# Altium PCB Dashcam.PcbDoc (part 2 of 6)
Units mm, origin at the board's own origin, x right, y up, seen from the top; angles counter-clockwise.
Board outline 90.03 x 65.03 mm, 6 copper layers (TOP, L2_GND, L3_IN1, L4_POWER, L5_GND_2, BOTTOM), stack 1.128 mm thick; 287 components, 444 nets, 1760 pads, 0 vias.
Unrouted connection lines stored in the file: 908.
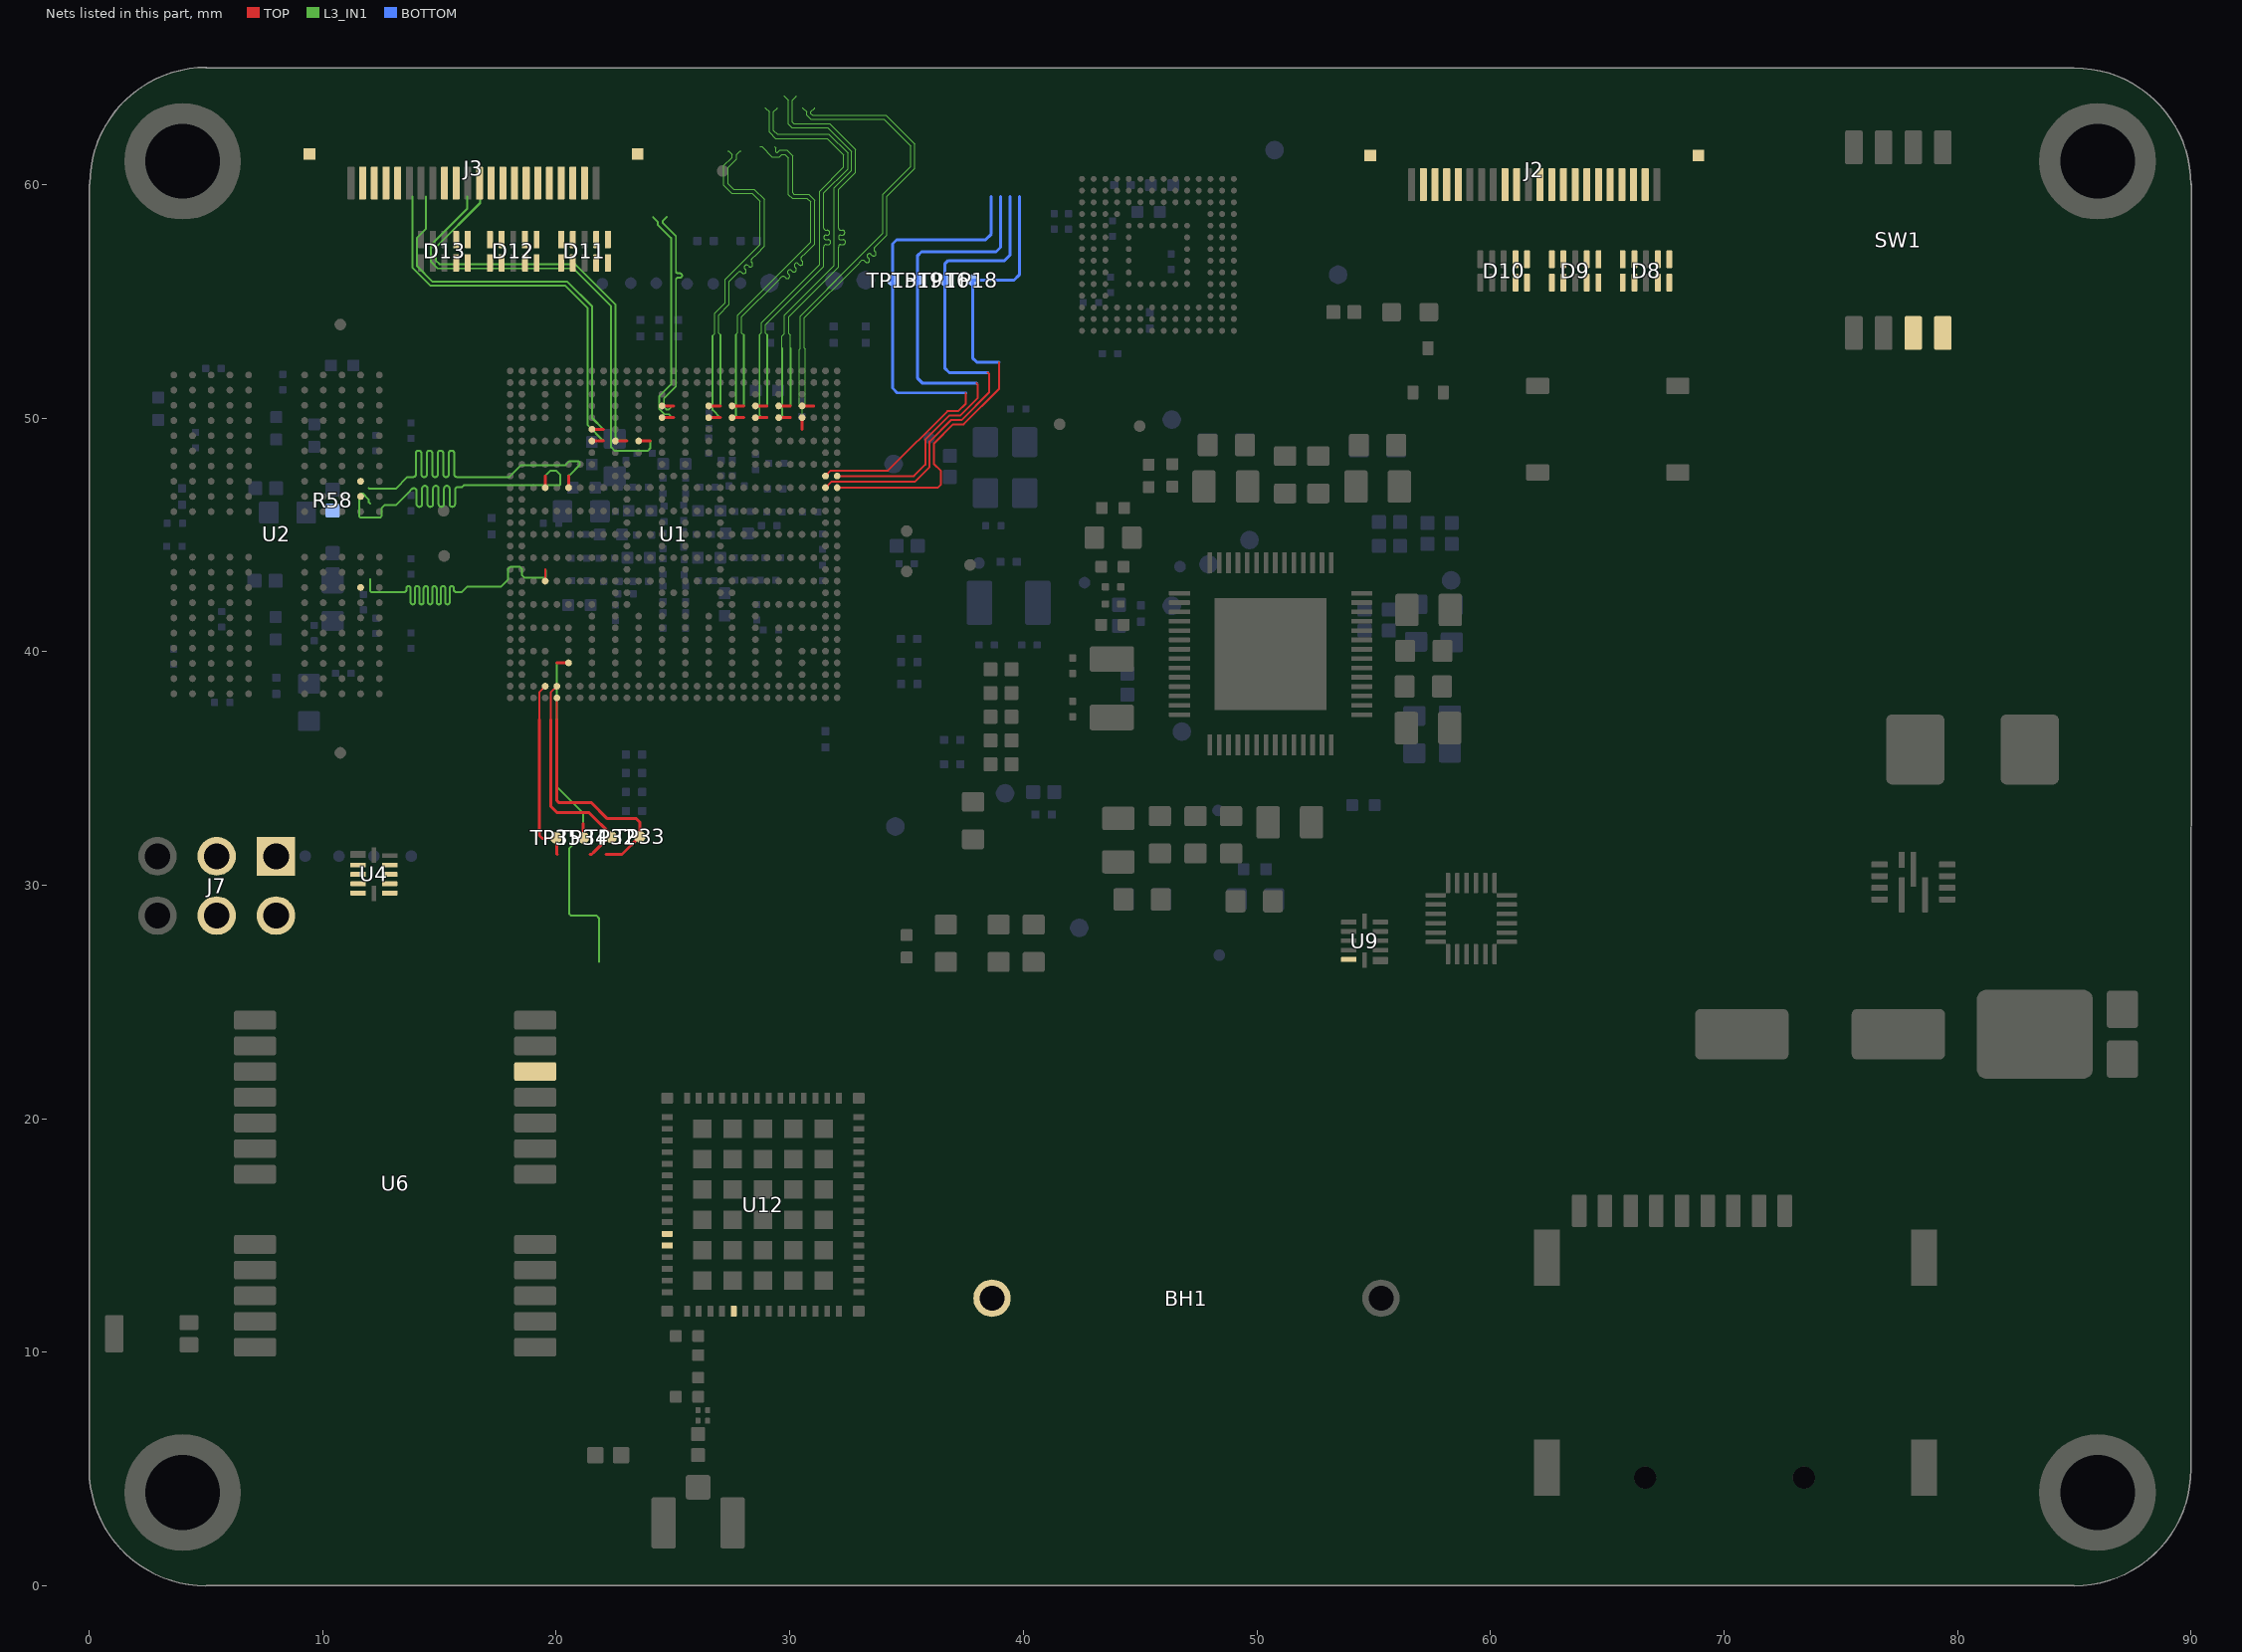
[diagram p6: the nets of this part, all layers, seen from the top]

## Footprints (in the part's own frame and the unit in brackets; to place one, negate y for a bottom-side part, rotate by r counter-clockwise, add the part's x,y. Pads: shape width x height; smd on the part's side, far side on the other; paste and mask are expansions set on the pad) (continued)
IC_MPU_BGA548C50P29X29_1500X1500X148 [mm] "15 X 15 MM BGA"
  round 0.29 smd: A1(-7,7) A2(-6.5,7) A3(-6,7) A4(-5.5,7) A5(-5,7) A6(-4.5,7) A7(-4,7) A8(-3.5,7) A9(-3,7) A10(-2.5,7) A11(-2,7) A12(-1.5,7) A13(-1,7) A14(-0.5,7) A15(0,7) A16(0.5,7) A17(1,7) A18(1.5,7) A19(2,7) A20(2.5,7) A21(3,7) A22(3.5,7) A23(4,7) A24(4.5,7) A25(5,7) A26(5.5,7) A27(6,7) A28(6.5,7) A29(7,7) AA1(-7,-3) AA2(-6.5,-3) AA3(-6,-3) AA4(-5.5,-3) AA5(-5,-3) AA6(-4.5,-3) AA7(-4,-3) AA8(-3.5,-3) AA10(-2.5,-3) AA11(-2,-3) AA14(-0.5,-3) AA16(0.5,-3) AA19(2,-3) AA20(2.5,-3) AA22(3.5,-3) AA23(4,-3) AA24(4.5,-3) AA25(5,-3) AA26(5.5,-3) AA27(6,-3) AA28(6.5,-3) AA29(7,-3) AB1(-7,-3.5) AB2(-6.5,-3.5) AB8(-3.5,-3.5) AB10(-2.5,-3.5) AB12(-1.5,-3.5) AB14(-0.5,-3.5) AB16(0.5,-3.5) AB18(1.5,-3.5) AB20(2.5,-3.5) AB22(3.5,-3.5) AB28(6.5,-3.5) AB29(7,-3.5) AC1(-7,-4) AC2(-6.5,-4) AC3(-6,-4) AC4(-5.5,-4) AC5(-5,-4) AC6(-4.5,-4) AC8(-3.5,-4) AC10(-2.5,-4) AC12(-1.5,-4) AC14(-0.5,-4) AC16(0.5,-4) AC18(1.5,-4) AC20(2.5,-4) AC22(3.5,-4) AC24(4.5,-4) AC25(5,-4) AC26(5.5,-4) AC27(6,-4) AC28(6.5,-4) AC29(7,-4) AD1(-7,-4.5) AD2(-6.5,-4.5) AD6(-4.5,-4.5) AD8(-3.5,-4.5) AD10(-2.5,-4.5) AD12(-1.5,-4.5) AD14(-0.5,-4.5) AD16(0.5,-4.5) AD18(1.5,-4.5) AD20(2.5,-4.5) AD22(3.5,-4.5) AD24(4.5,-4.5) AD28(6.5,-4.5) AD29(7,-4.5) AE1(-7,-5) AE2(-6.5,-5) AE3(-6,-5) AE4(-5.5,-5) AE6(-4.5,-5) AE8(-3.5,-5) AE10(-2.5,-5) AE12(-1.5,-5) AE14(-0.5,-5) AE16(0.5,-5) AE18(1.5,-5) AE20(2.5,-5) AE22(3.5,-5) AE24(4.5,-5) AE26(5.5,-5) AE27(6,-5) AE28(6.5,-5) AE29(7,-5) AF1(-7,-5.5) AF2(-6.5,-5.5) AF4(-5.5,-5.5) AF6(-4.5,-5.5) AF8(-3.5,-5.5) AF10(-2.5,-5.5) AF12(-1.5,-5.5) AF14(-0.5,-5.5) AF16(0.5,-5.5) AF18(1.5,-5.5) AF20(2.5,-5.5) AF22(3.5,-5.5) AF24(4.5,-5.5) AF26(5.5,-5.5) AF28(6.5,-5.5) AF29(7,-5.5) AG1(-7,-6) AG2(-6.5,-6) AG4(-5.5,-6) AG6(-4.5,-6) AG8(-3.5,-6) AG10(-2.5,-6) AG12(-1.5,-6) AG14(-0.5,-6) AG16(0.5,-6) AG18(1.5,-6) AG20(2.5,-6) AG22(3.5,-6) AG24(4.5,-6) AG26(5.5,-6) AG28(6.5,-6) AG29(7,-6) AH1(-7,-6.5) AH2(-6.5,-6.5) AH3(-6,-6.5) AH4(-5.5,-6.5) AH5(-5,-6.5) AH6(-4.5,-6.5) AH7(-4,-6.5) AH8(-3.5,-6.5) AH9(-3,-6.5) AH10(-2.5,-6.5) AH11(-2,-6.5) AH12(-1.5,-6.5) AH13(-1,-6.5) AH14(-0.5,-6.5) AH15(0,-6.5) AH16(0.5,-6.5) AH17(1,-6.5) AH18(1.5,-6.5) AH19(2,-6.5) AH20(2.5,-6.5) AH21(3,-6.5) AH22(3.5,-6.5) AH23(4,-6.5) AH24(4.5,-6.5) AH25(5,-6.5) AH26(5.5,-6.5) AH27(6,-6.5) AH28(6.5,-6.5) AH29(7,-6.5) AJ1(-7,-7) AJ2(-6.5,-7) AJ3(-6,-7) AJ4(-5.5,-7) AJ5(-5,-7) AJ6(-4.5,-7) AJ7(-4,-7) AJ8(-3.5,-7) AJ9(-3,-7) AJ10(-2.5,-7) AJ11(-2,-7) AJ12(-1.5,-7) AJ13(-1,-7) AJ14(-0.5,-7) AJ15(0,-7) AJ16(0.5,-7) AJ17(1,-7) AJ18(1.5,-7) AJ19(2,-7) AJ20(2.5,-7) AJ21(3,-7) AJ22(3.5,-7) AJ23(4,-7) AJ24(4.5,-7) AJ25(5,-7) AJ26(5.5,-7) AJ27(6,-7) AJ28(6.5,-7) AJ29(7,-7) B1(-7,6.5) B2(-6.5,6.5) B3(-6,6.5) B4(-5.5,6.5) B5(-5,6.5) B6(-4.5,6.5) B7(-4,6.5) B8(-3.5,6.5) B9(-3,6.5) B10(-2.5,6.5) B11(-2,6.5) B12(-1.5,6.5) B13(-1,6.5) B14(-0.5,6.5) B15(0,6.5) B16(0.5,6.5) B17(1,6.5) B18(1.5,6.5) B19(2,6.5) B20(2.5,6.5) B21(3,6.5) B22(3.5,6.5) B23(4,6.5) B24(4.5,6.5) B25(5,6.5) B26(5.5,6.5) B27(6,6.5) B28(6.5,6.5) B29(7,6.5) C1(-7,6) C2(-6.5,6) C4(-5.5,6) C6(-4.5,6) C8(-3.5,6) C10(-2.5,6) C12(-1.5,6) C14(-0.5,6) C16(0.5,6) C18(1.5,6) C20(2.5,6) C22(3.5,6) C24(4.5,6) C26(5.5,6) C28(6.5,6) C29(7,6) D1(-7,5.5) D2(-6.5,5.5) D4(-5.5,5.5) D6(-4.5,5.5) D8(-3.5,5.5) D10(-2.5,5.5) D12(-1.5,5.5) D14(-0.5,5.5) D16(0.5,5.5) D18(1.5,5.5) D20(2.5,5.5) D22(3.5,5.5) D24(4.5,5.5) D26(5.5,5.5) D28(6.5,5.5) D29(7,5.5) E1(-7,5) E2(-6.5,5) E3(-6,5) E4(-5.5,5) E6(-4.5,5) E8(-3.5,5) E10(-2.5,5) E12(-1.5,5) E14(-0.5,5) E16(0.5,5) E18(1.5,5) E20(2.5,5) E22(3.5,5) E24(4.5,5) E26(5.5,5) E27(6,5) E28(6.5,5) E29(7,5) F1(-7,4.5) F2(-6.5,4.5) F6(-4.5,4.5) F8(-3.5,4.5) F10(-2.5,4.5) F12(-1.5,4.5) F14(-0.5,4.5) F16(0.5,4.5) F18(1.5,4.5) F20(2.5,4.5) F22(3.5,4.5) F24(4.5,4.5) F28(6.5,4.5) F29(7,4.5) G1(-7,4) G2(-6.5,4) G3(-6,4) G4(-5.5,4) G5(-5,4) G6(-4.5,4) G8(-3.5,4) G10(-2.5,4) G12(-1.5,4) G14(-0.5,4) G16(0.5,4) G18(1.5,4) G20(2.5,4) G22(3.5,4) G24(4.5,4) G25(5,4) G26(5.5,4) G27(6,4) G28(6.5,4) G29(7,4) H1(-7,3.5) H2(-6.5,3.5) H8(-3.5,3.5) H10(-2.5,3.5) H12(-1.5,3.5) H14(-0.5,3.5) H16(0.5,3.5) H18(1.5,3.5) H20(2.5,3.5) H22(3.5,3.5) H28(6.5,3.5) H29(7,3.5) J1(-7,3) J2(-6.5,3) J3(-6,3) J4(-5.5,3) J5(-5,3) J6(-4.5,3) J7(-4,3) J8(-3.5,3) J10(-2.5,3) J11(-2,3) J14(-0.5,3) J16(0.5,3) J19(2,3) J20(2.5,3) J22(3.5,3) J23(4,3) J24(4.5,3) J25(5,3) J26(5.5,3) J27(6,3) J28(6.5,3) J29(7,3) K1(-7,2.5) K2(-6.5,2.5) K10(-2.5,2.5) K11(-2,2.5) K14(-0.5,2.5) K15(0,2.5) K16(0.5,2.5) K19(2,2.5) K20(2.5,2.5) K28(6.5,2.5) K29(7,2.5) L1(-7,2) L2(-6.5,2) L3(-6,2) L4(-5.5,2) L5(-5,2) L6(-4.5,2) L7(-4,2) L8(-3.5,2) L9(-3,2) L10(-2.5,2) L11(-2,2) L12(-1.5,2) L13(-1,2) L14(-0.5,2) L16(0.5,2) L17(1,2) L18(1.5,2) L19(2,2) L20(2.5,2) L21(3,2) L22(3.5,2) L23(4,2) L24(4.5,2) L25(5,2) L26(5.5,2) L27(6,2) L28(6.5,2) L29(7,2) M1(-7,1.5) M2(-6.5,1.5) M11(-2,1.5) M14(-0.5,1.5) M16(0.5,1.5) M19(2,1.5) M28(6.5,1.5) M29(7,1.5) N1(-7,1) N2(-6.5,1) N3(-6,1) N4(-5.5,1) N5(-5,1) N6(-4.5,1) N7(-4,1) N8(-3.5,1) N9(-3,1) N10(-2.5,1) N11(-2,1) N12(-1.5,1) N13(-1,1) N14(-0.5,1) N15(0,1) N16(0.5,1) N17(1,1) N18(1.5,1) N19(2,1) N20(2.5,1) N21(3,1) N22(3.5,1) N23(4,1) N24(4.5,1) N25(5,1) N26(5.5,1) N27(6,1) N28(6.5,1) N29(7,1) P1(-7,0.5) P2(-6.5,0.5) P11(-2,0.5) P14(-0.5,0.5) P16(0.5,0.5) P19(2,0.5) P28(6.5,0.5) P29(7,0.5) R1(-7,0) R2(-6.5,0) R3(-6,0) R4(-5.5,0) R5(-5,0) R6(-4.5,0) R7(-4,0) R8(-3.5,0) R9(-3,0) R10(-2.5,0) R11(-2,0) R12(-1.5,0) R13(-1,0) R14(-0.5,0) R16(0.5,0) R17(1,0) R18(1.5,0) R19(2,0) R20(2.5,0) R21(3,0) R22(3.5,0) R23(4,0) R24(4.5,0) R25(5,0) R26(5.5,0) R27(6,0) R28(6.5,0) R29(7,0) T1(-7,-0.5) T2(-6.5,-0.5) T11(-2,-0.5) T14(-0.5,-0.5) T16(0.5,-0.5) T19(2,-0.5) T28(6.5,-0.5) T29(7,-0.5) U1(-7,-1) U2(-6.5,-1) U3(-6,-1) U4(-5.5,-1) U5(-5,-1) U6(-4.5,-1) U7(-4,-1) U8(-3.5,-1) U9(-3,-1) U10(-2.5,-1) U11(-2,-1) U12(-1.5,-1) U13(-1,-1) U14(-0.5,-1) U15(0,-1) U16(0.5,-1) U17(1,-1) U18(1.5,-1) U19(2,-1) U20(2.5,-1) U21(3,-1) U22(3.5,-1) U23(4,-1) U24(4.5,-1) U25(5,-1) U26(5.5,-1) U27(6,-1) U28(6.5,-1) U29(7,-1) V1(-7,-1.5) V2(-6.5,-1.5) V11(-2,-1.5) V14(-0.5,-1.5) V16(0.5,-1.5) V19(2,-1.5) V28(6.5,-1.5) V29(7,-1.5) W1(-7,-2) W2(-6.5,-2) W3(-6,-2) W4(-5.5,-2) W5(-5,-2) W6(-4.5,-2) W7(-4,-2) W8(-3.5,-2) W9(-3,-2) W10(-2.5,-2) W11(-2,-2) W12(-1.5,-2) W13(-1,-2) W14(-0.5,-2) W16(0.5,-2) W17(1,-2) W18(1.5,-2) W19(2,-2) W20(2.5,-2) W21(3,-2) W22(3.5,-2) W23(4,-2) W24(4.5,-2) W25(5,-2) W26(5.5,-2) W27(6,-2) W28(6.5,-2) W29(7,-2) Y1(-7,-2.5) Y2(-6.5,-2.5) Y10(-2.5,-2.5) Y11(-2,-2.5) Y14(-0.5,-2.5) Y15(0,-2.5) Y16(0.5,-2.5) Y19(2,-2.5) Y20(2.5,-2.5) Y28(6.5,-2.5) Y29(7,-2.5)
  silkscreen extent -7.79,-7.5 7.5,7.8, body extent -7.5,-7.5 7.5,7.5, height 1.48
IC_PMIC_QFN40P800X800X100-57N-D [mm] "QFN40P"
  rrect20% 0.9x0.2 smd: 1(-3.9,2.6) 2(-3.9,2.2) 3(-3.9,1.8) 4(-3.9,1.4) 5(-3.9,1) 6(-3.9,0.6) 7(-3.9,0.2) 8(-3.9,-0.2) 9(-3.9,-0.6) 10(-3.9,-1) 11(-3.9,-1.4) 12(-3.9,-1.8) 13(-3.9,-2.2) 14(-3.9,-2.6) 29(3.9,-2.6) 30(3.9,-2.2) 31(3.9,-1.8) 32(3.9,-1.4) 33(3.9,-1) 34(3.9,-0.6) 35(3.9,-0.2) 36(3.9,0.2) 37(3.9,0.6) 38(3.9,1) 39(3.9,1.4) 40(3.9,1.8) 41(3.9,2.2) 42(3.9,2.6)
  rrect20% 0.2x0.9 smd: 15(-2.6,-3.9) 16(-2.2,-3.9) 17(-1.8,-3.9) 18(-1.4,-3.9) 19(-1,-3.9) 20(-0.6,-3.9) 21(-0.2,-3.9) 22(0.2,-3.9) 23(0.6,-3.9) 24(1,-3.9) 25(1.4,-3.9) 26(1.8,-3.9) 27(2.2,-3.9) 28(2.6,-3.9) 43(2.6,3.9) 44(2.2,3.9) 45(1.8,3.9) 46(1.4,3.9) 47(1,3.9) 48(0.6,3.9) 49(0.2,3.9) 50(-0.2,3.9) 51(-0.6,3.9) 52(-1,3.9) 53(-1.4,3.9) 54(-1.8,3.9) 55(-2.2,3.9) 56(-2.6,3.9)
  rect 4.8x4.8 smd: 57(0,0)
  silkscreen extent -4.44,-4.22 4.22,4.44, body extent -4.05,-4.05 4.05,4.05, height 1
IC_REG_MP8759GDZ [mm] "12-QFN (2x3)"
  rrect20% 1.5x0.25 smd: 1(-0.55,0.5) 2(-0.55,-0.5) 7(0.55,0)
  rrect20% 0.25x0.7 smd: 3(-0.75,-1.45) 4(-0.25,-1.45) 5(0.25,-1.45) 6(0.75,-1.45) 9(0.75,1.45) 10(0.25,1.45) 11(-0.25,1.45) 12(-0.75,1.45)
  rrect20% 0.7x0.25 smd: 8(0.95,0.5)
  silkscreen extent -1.52,-1 1,1, body extent -1.03,-1.53 1.03,1.53, height 1
IC_WIFI_BLE_LBEE5QD1ZM572 [mm]
  rrect20% 0.475x0.5 smd: 1(-4.563,-4.1) 18(4.563,-4.1) 33(4.563,4.1) 50(-4.563,4.1)
  rrect20% 0.25x0.475 smd: 2(-3.75,-4.1) 3(-3.25,-4.1) 4(-2.75,-4.1) 5(-2.25,-4.1) 6(-1.75,-4.1) 7(-1.25,-4.1) 8(-0.75,-4.1) 9(-0.25,-4.1) 10(0.25,-4.1) 11(0.75,-4.1) 12(1.25,-4.1) 13(1.75,-4.1) 14(2.25,-4.1) 15(2.75,-4.1) 16(3.25,-4.1) 17(3.75,-4.1) 34(3.75,4.1) 35(3.25,4.1) 36(2.75,4.1) 37(2.25,4.1) 38(1.75,4.1) 39(1.25,4.1) 40(0.75,4.1) 41(0.25,4.1) 42(-0.25,4.1) 43(-0.75,4.1) 44(-1.25,4.1) 45(-1.75,4.1) 46(-2.25,4.1) 47(-2.75,4.1) 48(-3.25,4.1) 49(-3.75,4.1)
  rrect20% 0.475x0.25 smd: 19(4.563,-3.25) 20(4.563,-2.75) 21(4.563,-2.25) 22(4.563,-1.75) 23(4.563,-1.25) 24(4.563,-0.75) 25(4.563,-0.25) 26(4.563,0.25) 27(4.563,0.75) 28(4.563,1.25) 29(4.563,1.75) 30(4.563,2.25) 31(4.563,2.75) 32(4.563,3.25) 51(-4.563,3.25) 52(-4.563,2.75) 53(-4.563,2.25) 54(-4.563,1.75) 55(-4.563,1.25) 56(-4.563,0.75) 57(-4.563,0.25) 58(-4.563,-0.25) 59(-4.563,-0.75) 60(-4.563,-1.25) 61(-4.563,-1.75) 62(-4.563,-2.25) 63(-4.563,-2.75) 64(-4.563,-3.25)
  rect 0.8x0.8 smd: 65(-3.25,-2.6) 66(-1.95,-2.6) 67(-0.65,-2.6) 68(0.65,-2.6) 69(1.95,-2.6) 70(3.25,-2.6) 71(3.25,-1.3) 72(3.25,0) 73(3.25,1.3) 74(3.25,2.6) 75(1.95,2.6) 76(0.65,2.6) 77(-0.65,2.6) 78(-1.95,2.6) 79(-3.25,2.6) 80(-3.25,1.3) 81(-3.25,0) 82(-3.25,-1.3) 83(-1.95,-1.3) 84(-0.65,-1.3) 85(0.65,-1.3) 86(1.95,-1.3) 87(1.95,0) 88(1.95,1.3) 89(0.65,1.3) 90(-0.65,1.3) 91(-1.95,1.3) 92(-1.95,0) 93(-0.65,0) 94(0.65,0)
  silkscreen extent -5.33,-4.65 -5.33,-3.63, body extent -5.1,-4.65 5.1,4.65, height 1.45
IND_0805_INDC2012X10N [mm] "Chip Inductor, 2-Leads, Body 2.00x1.25mm, IPC Medium Density"
  rrect20% 1x1.39 smd: 1(-0.93,0) 2(0.93,0)
  silkscreen extent -0.05,-0.6 0.05,0.6, body extent -1,-0.63 1,0.63, height 1
IND_WE-HCI_7030/7040/705023 [mm] "0.276\" L x 0.272\" W (7.00mm x 6.90mm)"
  rrect20% 2.5x3 smd: 1(-2.45,0) 2(2.45,0)
  silkscreen extent -3.6,-3.55 3.55,3.65, body extent -3.5,-3.45 3.5,3.45, height 4.8
LED_0603-GREEN [mm] "1.60mm L x 0.80mm W"
  rrect25% 0.8x0.8 smd: 1(0.8,0) 2(-0.8,0)
  silkscreen extent 1.4,-0.38 1.52,0.38, body extent -0.83,-0.4 0.77,0.4, height 0.55
MECH_BATTERY_HOLDER_BH600 [mm]
  round 1.6 hole 1.067: 1(0,8.33) 2(0,-8.33)
  silkscreen extent -9.53,-11.37 9.53,12
PTH_3.2X5 [mm] "PTH 3.2mm drill 5mm ring"
  round 5 hole 3.2 paste-2539.97: 1(0,0)
RES_0201_RESC0603X02N [mm] "Chip Resistor, 2-Leads, Body 0.60x0.30mm, IPC Medium Density"
  rrect20% 0.35x0.35 smd: 1(-0.35,0) 2(0.35,0)
  body extent -0.3,-0.15 0.3,0.15, height 0.24
RES_0402_RESC1005X04N [mm] "Chip Resistor, 2-Leads, Body 1.02x0.53mm, IPC Medium Density"
  rrect20% 0.6x0.6 smd: 1(-0.45,0) 2(0.45,0)
  body extent -0.5,-0.25 0.5,0.25, height 0.36
RES_0603_RESC1608X04N [mm] "Chip Resistor, 2-Leads, Body 1.60x0.80mm, IPC Medium Density"
  rrect20% 0.85x0.95 smd: 1(-0.8,0) 2(0.8,0)
  silkscreen extent -0.13,-0.64 0.17,0.64, body extent -0.8,-0.4 0.8,0.4, height 0.46
RF_FILTER_HP_DEA075150HT8036A1 [mm]
  rrect20% 0.25x0.2 smd: 1(-0.225,-0.205) 2(0.225,-0.205) 3(0.225,0.205) 4(-0.225,0.205)
  silkscreen extent -0.38,-0.51 -0.08,-0.51, body extent -0.33,-0.29 0.33,0.29, height 0.4
SOT-323 [mm] "SC-70, SOT-323"
  rrect20% 0.6x0.47 smd: D(0.95,0) G(-0.95,0.65) S(-0.95,-0.65)
  silkscreen extent -1.47,-1.07 0.65,1.07, body extent -1.05,-1.07 1.05,1.07, height 1.1
SW_DIP_SOIC127P844X265-8N [mm] "0.050\" (1.27mm), Half"
  rrect20% 1.45x0.75 smd: 1(-3.975,1.905) 2(-3.975,0.635) 3(-3.975,-0.635) 4(-3.975,-1.905) 5(3.975,-1.905) 6(3.975,-0.635) 7(3.975,0.635) 8(3.975,1.905)
  silkscreen extent -4.7,-3.13 2.9,3.13, body extent -4.22,-3.13 4.22,3.13, height 2.6
SWT_NO_PTS526SK15SMTR2LFS [mm] "TACT 5.2 X 5.2 mm"
  rrect20% 1x0.7 smd: 1(-3,1.85) 2(3,1.85) 3(-3,-1.85) 4(3,-1.85)
  silkscreen extent -3.78,-2.6 2.6,2.6, body extent -3.2,-2.6 3.2,2.6, height 1.55
TP_PAD_0.5MM_SMD_ROUND [mm] "Test Point, round, 0.5mm diameter, smd pad"
  round 0.5 smd paste-1.524: 1(0,0)
  silkscreen extent -0.43,-0.43 0.43,0.43
TP_PAD_0.8MM_SMD_ROUND [mm] "Test Point, round, 0.8mm diameter, smd pad"
  round 0.8 smd paste-1.524: 1(0,0)
  silkscreen extent -0.51,-0.51 0.51,0.51

## Part data
ANT1: library part ANT_CHIP_2.5GHz_5GHz_A9001978, "Automotive Ultra-small Uwb Or Bl", Manufacturer="Kyocera AVX", Supplier Part Number 1=478-A9001978CT-ND, Category=Uncategorized, Manufacturer Part Number=A9001978, Pricing 1="1=1.53, 10=1.367, 25=1.2976, 100=1.066, 250=0.99652, 500=0.88064, 1000=0.69525, 2500=0.6489 (USD)", RoHS=No, Stock 1=3990, Supplier 1=Digikey
BH1: library part MECH_BATTERY_HOLDER_BH600, "Battery Holder 1 Cells Thermoplastic Tray", Manufacturer="Memory Protection Devices", Max Operating Temperature=180°C, Min Operating Temperature=-55°C, Supplier Part Number 1=BH600-ND, Category="Batteries and Accessories", ComponentLink1Description=https://datasheet.ciiva.com/3/bh600-datasheet-3856.pdf?src-supplier=Digikey, ComponentLink1URL=https://datasheet.ciiva.com/3/bh600-datasheet-3856.pdf?src-supplier=Digikey, Diameter=16mm, Height=3.2mm, Lead Free="Lead Free", Manufacturer Part Number=BH600, Mount="Through Hole,PCB", Number of Cells=1, Pricing 1="1=1.7, 10=1.408, 50=1.236, 100=1.1686, 300=1.06927, 500=1.02602, 1000=0.97012, 2500=0.90087, 5000=0.85178 (USD)", RoHS=Yes, RoHS Compliant=Yes, Series=-, Stock 1=122929, Supplier 1=Digikey, Termination="PC Pin"
C1 C11 C19 C25 C29 C33 C38 C46 C54 C71 C72 C77 C78 C85 C96 C114: library part CAP_10UF_6.3V_X5R_0402, "Cap Ceramic 10uF 6.3V X5R 20% SMD 0402 85C T/R", Capacitance=10uF, Case Code (Imperial)=0402, Case Code (Metric)=1005, Dielectric=X5R, Manufacturer=Samsung, Max Operating Temperature=85°C, Min Operating Temperature=-55°C, Package Quantity=1, Supplier Part Number 1=1276-1451-1-ND, Tolerance=20%, Voltage Rating=6.3V, Case/Package=0402, Category="Ceramic Capacitors", ComponentLink1Description=https://datasheet.ciiva.com/16437/cl05a106mq5nunc-16437356.pdf?src-supplier=Future+Electronics, ComponentLink1URL=https://datasheet.ciiva.com/16437/cl05a106mq5nunc-16437356.pdf?src-supplier=Future+Electronics, ComponentLink2Description=https://datasheet.ciiva.com/26877/getdatasheetpartid-355289-26877841.pdf?src-supplier=Verical, ComponentLink2URL=https://datasheet.ciiva.com/26877/getdatasheetpartid-355289-26877841.pdf?src-supplier=Verical, Construction=Flat, Depth=0.5mm, Height=0.5mm, Length=1mm, Manufacturer Part Number=CL05A106MQ5NUNC, Mount="Surface Mount", Packaging="Tape and Reel", Pricing 1="1=0.24, 10=0.153, 50=0.0968, 100=0.0774, 500=0.05588, 1000=0.04943, 2500=0.04728, 5000=0.04299 (USD)", Radiation Hardening=No, RoHS=Yes, RoHS Compliant=Yes, Series=CL, Stock 1=6097180, Supplier 1=Digikey, Thickness=0.028inch, Width=0.02inch
C2 C3 C4 C5 C6 C7 C8 C9 C10 C12 C13 C14 C15 C16 C20 C21 C22 C23 C24 C26 C27 C28 C30 C31 C32 C34 C35 C36 C37 C39 C40 C41 C42 C43 C44 C45 C47 C48 C49 C50 C51 C52 C53 C59 C60 C61 C62 C73 C74 C75 C76 C79 C80 C81 C82 C83 C84 C86 C87 C88 C89 C90 C91 C92 C101 C106 C110: library part CAP_1UF_6.3V_X5R_0201, "0201 1 uF 6.3 V ±20 % Tolerance X5R Surface Mount Multilayer Ceramic Capacitor", Capacitance=1uF, Case Code (Imperial)=0201, Case Code (Metric)=0603, Dielectric=X5R, Manufacturer="Kyocera AVX", Max Operating Temperature=85°C, Min Operating Temperature=-55°C, Package Quantity=1, Supplier Part Number 1=581-02016D105MAT2A, Tolerance=20%, Voltage Rating=6.3V, Case/Package=0201, Category="Ceramic Capacitors", ComponentLink1Description=https://datasheet.ciiva.com/6265/cx5r-6265595.pdf?src-supplier=Digi-Key, ComponentLink1URL=https://datasheet.ciiva.com/6265/cx5r-6265595.pdf?src-supplier=Digi-Key, ComponentLink2Description=https://datasheet.ciiva.com/1123/1666675-1123122.pdf?src-supplier=Element14, ComponentLink2URL=https://datasheet.ciiva.com/1123/1666675-1123122.pdf?src-supplier=Element14, ComponentLink3Description=https://datasheet.ciiva.com/14891/cx5r-14891029.pdf?src-supplier=Digi-Key, ComponentLink3URL=https://datasheet.ciiva.com/14891/cx5r-14891029.pdf?src-supplier=Digi-Key, ComponentLink4Description=https://datasheet.ciiva.com/7614/cx5r-7614682.pdf?src-supplier=Digi-Key, ComponentLink4URL=https://datasheet.ciiva.com/7614/cx5r-7614682.pdf?src-supplier=Digi-Key, ComponentLink5Description=https://datasheet.ciiva.com/14891/cx5r-14891030.pdf?src-supplier=Digi-Key, ComponentLink5URL=https://datasheet.ciiva.com/14891/cx5r-14891030.pdf?src-supplier=Digi-Key, Depth=0.3mm, Lead Free="Lead Free", Length=0.024inch, Manufacturer Part Number=02016D105MAT2A, Mount="Surface Mount", Number of Pins=2, Packaging="Cut Tape", Pricing 1="1=0.1, 10=0.028, 50=0.028, 100=0.014, 1000=0.008, 10000=0.006 (USD)", Reach SVHC Compliant=No, RoHS=Yes, RoHS Compliant=Yes, Series=-, Stock 1=1026413, Supplier 1=Mouser, Thickness=0.013inch, Voltage Rating (DC)=6.3V, Width=0.012inch
C17 C18 C94 C95 C97 C98 C99 C100: library part CAP_0.22UF_10V_X5R_0201, "Multilayer Ceramic Capacitors (High dielectric type), 10V, 0.22 uF, ± 20 %, 0201, X5R, RoHS", Capacitance=220nF, Case Code (Imperial)=0201, Case Code (Metric)=0603, Dielectric=X5R, Manufacturer="Taiyo Yuden", Max Operating Temperature=85°C, Min Operating Temperature=-55°C, Package Quantity=15000, Supplier Part Number 1=587-2483-1-ND, Tolerance=20%, Voltage=10V, Case/Package=0201, Category="Ceramic Capacitors", ComponentLink1Description=https://datasheet.ciiva.com/134/lmk063bj224mp-f-ss-134995.pdf?src-supplier=Digikey, ComponentLink1URL=https://datasheet.ciiva.com/134/lmk063bj224mp-f-ss-134995.pdf?src-supplier=Digikey, ComponentLink2Description=https://datasheet.ciiva.com/11464/lmk063bj224mp-f-ss-11464053.pdf?src-supplier=Avnet, ComponentLink2URL=https://datasheet.ciiva.com/11464/lmk063bj224mp-f-ss-11464053.pdf?src-supplier=Avnet, ComponentLink3Description=https://datasheet.ciiva.com/15921/1589lmk063bj224mp-f-15921250.pdf?src-supplier=Onlinecomponents.com, ComponentLink3URL=https://datasheet.ciiva.com/15921/1589lmk063bj224mp-f-15921250.pdf?src-supplier=Onlinecomponents.com, ComponentLink4Description=https://datasheet.ciiva.com/26872/getdatasheetpartid-639019-26872592.pdf?src-supplier=Verical, ComponentLink4URL=https://datasheet.ciiva.com/26872/getdatasheetpartid-639019-26872592.pdf?src-supplier=Verical, ComponentLink5Description=https://datasheet.ciiva.com/30243/100lmk063bj224mp-f-30243150.pdf?src-supplier=Onlinecomponents.com, ComponentLink5URL=https://datasheet.ciiva.com/30243/100lmk063bj224mp-f-30243150.pdf?src-supplier=Onlinecomponents.com, ComponentLink6Description=https://datasheet.ciiva.com/28645/746258-28645141.pdf?src-supplier=Element14, ComponentLink6URL=https://datasheet.ciiva.com/28645/746258-28645141.pdf?src-supplier=Element14, ComponentLink7Description=https://datasheet.ciiva.com/5422/mlcc-all-e-541559-5422365.pdf?src-supplier=Mouser, ComponentLink7URL=https://datasheet.ciiva.com/5422/mlcc-all-e-541559-5422365.pdf?src-supplier=Mouser, Construction=Flat, Depth=0.3mm, Halogen Free="Halogen Free", Height=0.3mm, Length=0.6mm, Manufacturer Part Number=LMK063BJ224MP-F, Material=4241ConductorMaterial, Mount="Surface Mount", Packaging="Tape and Reel", Pricing 1="1=0.12, 10=0.08, 50=0.0478, 100=0.0375, 500=0.02772, 1000=0.02295, 2500=0.02136, 5000=0.01954 (USD)", Radiation Hardening=No, Reach SVHC Compliant=Unknown, RoHS=Yes, RoHS Compliant=Yes, Series=M, Stock 1=6053224, Supplier 1=Digikey, Termination=SMD/SMT, Voltage Rating=10V, Voltage Rating (DC)=10V, Width=0.3mm